# Altium PCB MiGo_V4.0.PcbDoc (part 2 of 2)
Units mm, origin at the board's own origin, x right, y up, seen from the top; angles counter-clockwise.
Board outline 40.15 x 60.15 mm, 4 copper layers (Top Layer, GND, VCC, Bottom Layer), stack 0.98 mm thick; 120 components, 87 nets, 464 pads, 291 vias.
Unrouted connection lines stored in the file: 87.
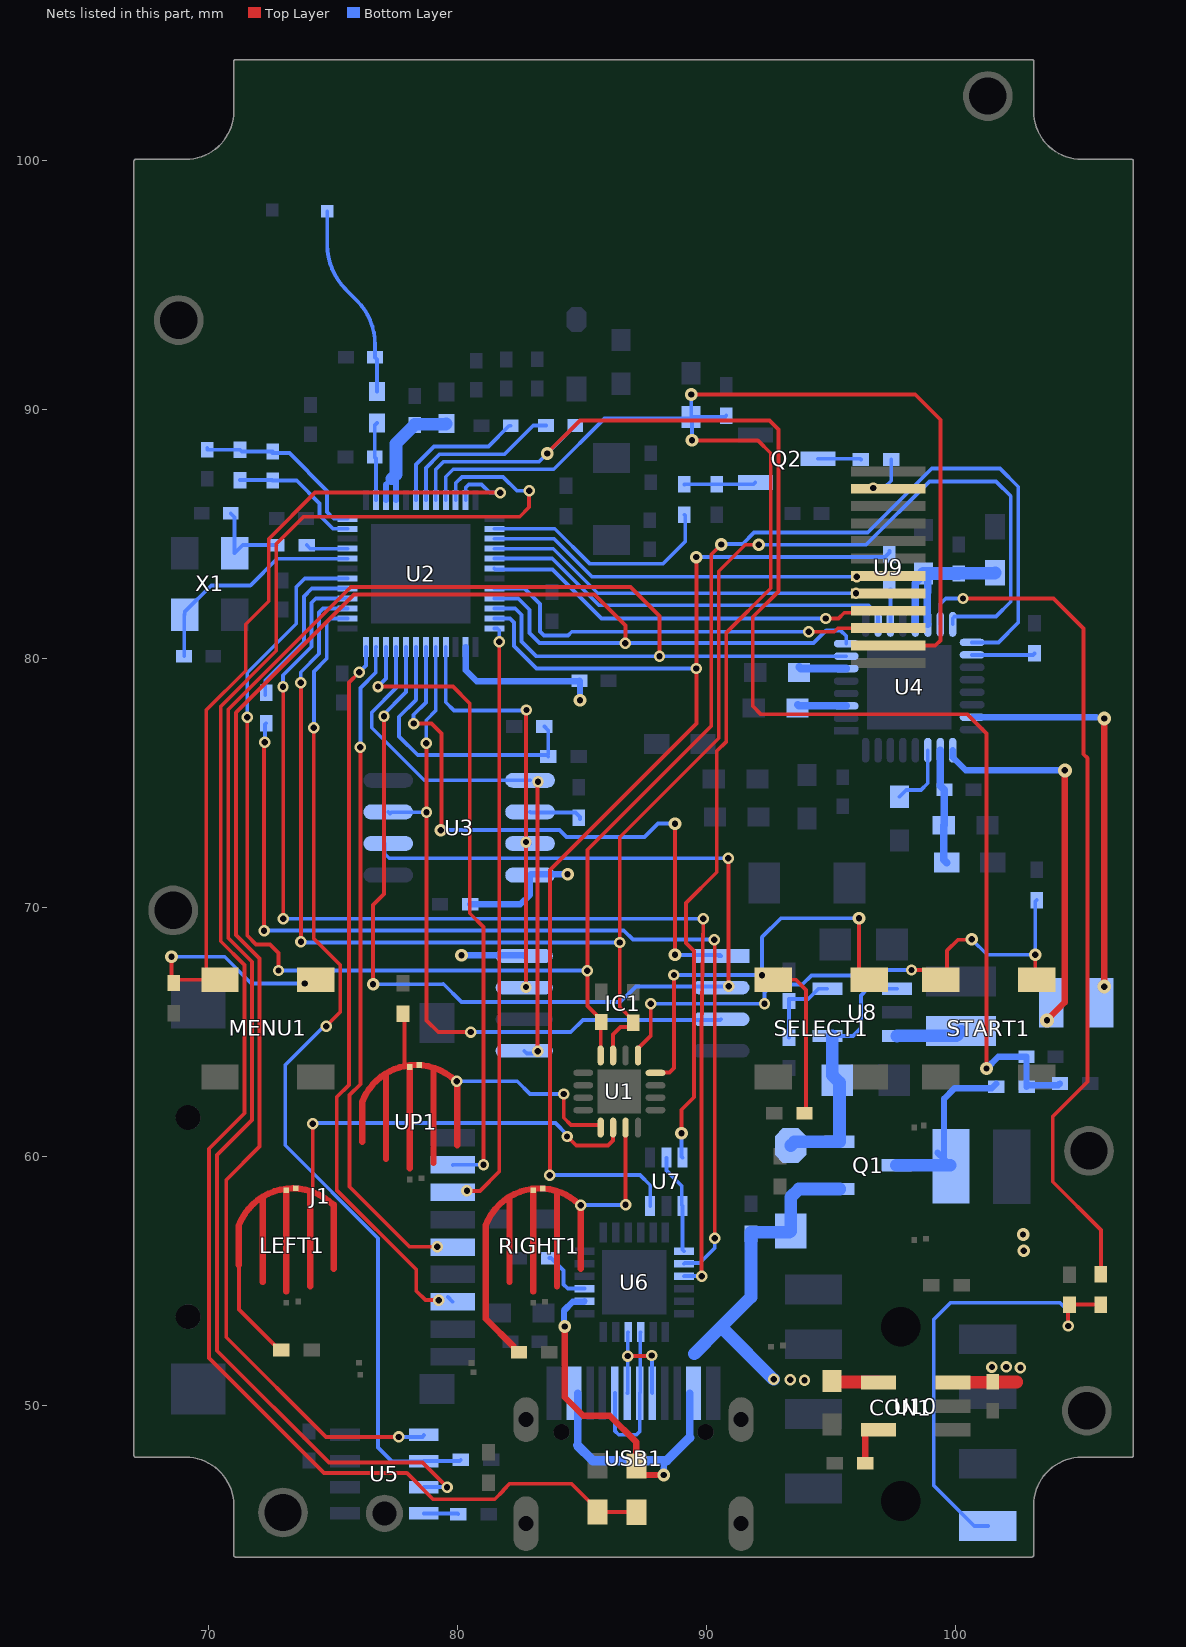
[diagram p4: the nets of this part, all layers, seen from the top]

## Via types
v1: diameter 0.457, hole 0.254, Top Layer to Bottom Layer, tented both sides, 217 vias
v2: diameter 0.508, hole 0.254, Top Layer to Bottom Layer, tented both sides, 70 vias
v3: diameter 0.559, hole 0.254, Top Layer to Bottom Layer, tented both sides, 4 vias

## Nets (pads, with @x,y where several pads share a name; then routed paths per layer and width w, separated by ;. In a path a pad name is that pad's centre, name@x,y a point inside that pad or via, vN(x,y) a via of type N, cw(c..) or ccw(c..) an arc to the next point about the centre after c; other vN are vias at no path point) (continued)
I2C_SCL: R2.2 U1.15 U2.39 U4.16 | length 70
  Top Layer w0.152: v1(73.703,79.03) 73.713,79.019 v1(73.713,68.621) ; U1.15@86.255,64.061 86.255,64.901 86.556,65.202 86.886,65.202 R2.2@87.064,65.38 87.064,65.456 86.519,66.001 v1(86.519,68.597) 86.519,72.823 90.498,76.802 90.498,83.508 91.562,84.572 v2(92.105,84.572)
  Bottom Layer w0.152: v1(73.703,79.03) 73.703,79.454 74.442,80.193 74.442,81.854 74.604,82.016 U2.39@75.582,82.016 ; v1(73.713,68.621) 73.737,68.597 v1(86.519,68.597) ; v2(92.105,84.572) 96.416,84.572 98.963,87.119 101.633,87.119 102.226,86.526 102.226,82.285 101.633,81.691 99.964,81.691 99.896,81.623 U4.16@99.896,81.377
I2C_SDA: R1.2 U1.16 U2.42 U4.17 | length 75.8
  Top Layer w0.152: v1(71.557,77.64) 71.557,68.876 71.913,68.519 72.471,68.519 72.814,68.176 v1(72.814,67.473) ; U1.16@85.755,64.061 85.755,65.376 R1.2@85.781,65.402 85.781,65.479 85.22,66.04 v1(85.22,67.457) 85.22,72.321 90.193,77.295 90.193,84.183 v2(90.597,84.587)
  Bottom Layer w0.152: v1(71.557,77.64) 71.557,79.433 73.528,81.404 73.528,82.88 73.864,83.216 U2.42@75.582,83.216 ; v1(72.814,67.473) 85.204,67.473 v1(85.22,67.457) ; v2@90.599,84.607 91.459,84.607 91.918,85.067 96.48,85.067 99.051,87.638 101.801,87.638 102.531,86.907 102.531,81.449 101.732,80.65 U4.17@100.674,80.65
I2S_ADCDAT: R22.1 U2.38 U5.2 | length 40.8
  Top Layer w0.152: v1(74.234,77.224) 74.226,77.216 74.226,68.763 75.294,67.696 75.294,65.802 v1(74.727,65.235)
  Bottom Layer w0.152: v1(74.234,77.224) 74.234,79.487 74.747,80 74.747,81.45 74.913,81.616 U2.38@75.582,81.616 ; v1(74.727,65.235) 74.646,65.235 73.081,63.67 73.081,60.452 76.815,56.718 76.815,48.313 77.376,47.752 78.637,47.752 U5.2@78.649,47.764 80.086,47.764 R22.1@80.137,47.816
I2S_BCLK: U2.21 U4.8 U5.1 | length 70.6
  Top Layer w0.152: v1(77.64,48.735) 74.714,48.735 70.711,52.738 70.711,59.063 72.053,60.405 72.053,67.948 71.1,68.902 71.1,77.83 75.843,82.573 85.507,82.573 86.751,81.328 v1@86.751,80.62
  Bottom Layer w0.152: v1(77.64,48.735) 78.596,48.735 78.662,48.801 U5.1@78.649,48.814 ; U2.21@81.482,82.416 82.443,82.416 82.895,81.963 82.895,81.023 83.294,80.625 94.301,80.625 94.812,81.135 95.387,81.135 95.617,80.905 U4.8@95.617,80.6
  other v1: 86.746,80.617
I2S_DACDAT: U2.17 U4.10 | length 16.7
  Bottom Layer w0.152: U2.17@81.482,84.016 81.489,84.023 83.809,84.023 85.686,82.146 96.512,82.146 96.895,81.763 U4.10@96.895,81.377
I2S_LRCK: U2.22 U4.7 U5.3 | length 76.2
  Top Layer w0.152: v1(79.583,46.718) 78.598,47.704 74.836,47.704 70.34,52.2 70.34,60.056 71.748,61.464 71.748,67.822 70.795,68.775 70.795,77.956 75.717,82.878 86.947,82.878 88.118,81.707 v1(88.118,80.1)
  Bottom Layer w0.152: U5.3@78.649,46.714 78.653,46.718 v1(79.583,46.718) ; U2.22@81.482,82.016 82.319,82.016 82.573,81.763 82.573,80.684 83.157,80.1 v1(88.118,80.1) U4.7@95.617,80.1
I2S_MCLK: R26.2 U4.11 | length 1.4
  Bottom Layer w0.152: U4.11@97.395,81.377 R26.2@97.395,82.785
IO0: R26.1 U2.23 U7.3 | length 49.7
  Top Layer w0.152: v1(83.711,59.253) 83.722,59.265 83.722,71.515 89.599,77.391 v1(89.599,79.604) v2(89.599,84.079)
  Bottom Layer w0.152: U2.23@81.482,81.616 82.11,81.616 82.268,81.458 82.268,80.51 83.175,79.604 v1(89.599,79.604) ; v1(83.711,59.253) 87.335,59.253 87.745,58.844 U7.3@87.745,58.014 ; v2@89.588,84.089 v2(89.599,84.079) 97.178,84.079 97.356,84.257 R26.1@97.356,84.333
JACK_DET: R29.2 U4.15 | length 34.5
  Top Layer w0.152: v1(100.31,82.415) 103.944,82.415 103.947,82.418 105.151,81.214 105.151,76.162 105.311,76.002 105.311,63 103.914,61.603 103.914,58.984 105.847,57.051 R29.2@105.847,55.273
  Bottom Layer w0.152: U4.15@99.396,81.377 99.396,82.192 99.619,82.415 v1(100.31,82.415)
LCD_BCKL: R38.1 U2.14 | length 9.7
  Bottom Layer w0.152: U2.14@81.482,85.216 83.909,85.216 85.31,83.815 88.265,83.815 89.151,84.701 89.151,85.745 R38.1@89.116,85.781
LCD_CS: U2.16 U9.8 | length 15.3
  Bottom Layer w0.152: U2.16@81.482,84.416 83.847,84.416 85.637,82.626 v1(96.012,82.626)
LCD_DC: U2.15 U9.7 | length 15.2
  Bottom Layer w0.152: U2.15@81.482,84.816 83.878,84.816 85.407,83.287 v1(96.045,83.287)
LCD_MOSI: U2.20 U9.10 | length 17.4
  Top Layer w0.152: v1(94.112,81.082) 95.138,81.082 95.28,81.223 U9.10@97.309,81.223
  Bottom Layer w0.152: U2.20@81.482,82.816 82.7,82.816 83.319,82.198 83.319,81.091 83.48,80.929 84.442,80.929 84.595,81.082 v1(94.112,81.082)
LCD_SCK: U2.18 U9.9 | length 16.8
  Top Layer w0.152: v1(94.79,81.61) 95.306,81.61 95.54,81.844 97.23,81.844 U9.9@97.309,81.923
  Bottom Layer w0.152: U2.18@81.482,83.616 81.519,83.579 83.822,83.579 85.791,81.61 v1(94.79,81.61)
LEFT: LEFT1.1 R12.1 U1.6 | length 20.1
  Top Layer w0.152: 71.222,55.643 71.222,53.856 72.847,52.23 R12.1@72.923,52.23 ; 74.082,58.542 74.136,58.596 74.191,58.651 v1(74.191,61.316) ; v1(84.404,60.805) 84.772,60.437 86.05,60.437 86.255,60.641 U1.6@86.255,61.161
  Bottom Layer w0.152: v1(74.191,61.316) 74.216,61.341 83.937,61.341 84.404,60.874 v1(84.404,60.805)
MENU: MENU1.1 R15.1 U2.11 | length 39.7
  Top Layer w0.152: v2(68.511,68.021) 68.511,67.069 R15.1@68.61,66.97 68.742,67.101 MENU1.1@69.908,67.101 ; MENU1.1@70.465,67.101 MENU1.1@69.908,67.101 ; v1(81.717,86.67) 74.28,86.67 72.418,84.808 72.418,82.306 71.493,81.382 71.493,79.516 69.908,77.931 MENU1.1@69.908,67.101
  Bottom Layer w0.152: v2(68.511,68.021) 70.651,68.021 71.72,66.952 v2(73.864,66.952) ; U2.11@80.332,86.366 80.332,86.872 80.454,86.995 80.946,86.995 80.97,86.995 81.295,86.67 v1(81.717,86.67)
NetB2_1: B2.1 U4.23 | length 15.8
  Top Layer w0.254: v3(105.981,66.825) v3(105.981,77.592)
  Bottom Layer w0.254: U4.23@100.674,77.649 105.659,77.649
NetB2_2: B2.2 U4.25 | length 15.3
  Top Layer w0.254: v3(103.68,65.471) 104.399,66.19 v3(104.399,75.512)
  Bottom Layer w0.254: U4.25@99.896,76.321 99.896,76.032 100.416,75.512 v3(104.399,75.512)
NetC2_1: C2.1 R3.2 X1.1 | length 3.5
  Bottom Layer w0.152: C2.1@70.896,85.833 71.049,85.681 X1.1@71.049,84.231 71.377,84.559 R3.2@72.728,84.559
NetC5_2: C5.2 C7.2 R4.2 U2.48 | length 7.4
  Bottom Layer w0.152: C5.2@69.953,88.458 C5.2@69.953,88.395 69.958,88.389 R4.2@71.267,88.389 71.338,88.318 C7.2@72.577,88.318 72.577,88.255 73.249,88.255 74.765,86.738 74.765,85.884 75.033,85.616 U2.48@75.582,85.616
NetC7_1: C7.1 R4.1 U2.47 | length 5.4
  Bottom Layer w0.152: R4.1@71.267,87.17 72.557,87.17 C7.1@72.577,87.15 73.543,87.15 74.46,86.233 74.46,85.758 75.002,85.216 U2.47@75.582,85.216
NetC12_2: C12.2 L1.2 U2.3 U2.4 | length 5.8
  Bottom Layer w0.229: U2.3@77.132,86.366 77.132,86.995 77.363,87.226 ; U2.4@77.532,86.366 77.532,87.395
  Bottom Layer w0.508: 77.363,87.226 77.532,87.395 77.532,88.636 C12.2@78.281,89.385 78.281,89.413 79.527,89.413 L1.2@79.555,89.441
NetC13_2: C13.2 JP1.1 L2.1 | length 7.8
  Bottom Layer w0.152: JP1.1@74.773,97.973 74.773,96.627 ccw(c77.313,96.627) 75.516,94.831 75.949,94.399 cw(c74.153,92.603) 76.693,92.603 C13.2@76.693,92.1 76.769,92.024 L2.1@76.769,90.735
NetC14_2: C14.2 L2.2 U2.2 | length 3.2
  Bottom Layer w0.152: U2.2@76.732,86.366 76.732,88.041 C14.2@76.675,88.097 76.675,89.371 L2.2@76.769,89.465
NetC16_2: C16.2 U2.6 | length 5.9
  Bottom Layer w0.152: U2.6@78.332,86.366 78.332,87.796 79.055,88.519 81.244,88.519 82.078,89.352 C16.2@82.141,89.352
NetC17_1: C17.1 U2.7 | length 6.8
  Bottom Layer w0.152: U2.7@78.732,86.366 78.732,87.655 79.291,88.214 81.898,88.214 83.047,89.363 C17.1@83.563,89.363
NetC22_1: C22.1 C23.1 R21.2 U4.26 | length 4.6
  Bottom Layer w0.305: U4.26@99.396,76.321 99.396,74.892 C23.1@99.56,74.728 99.549,74.716 99.549,73.318 C22.1@99.538,73.307 99.538,71.923 R21.2@99.654,71.806
NetC27_2: C27.2 C28.2 R24.2 U4.13 U4.14 | length 7.2
  Bottom Layer w0.305: U4.13@98.396,81.377 98.396,83.034 98.715,83.353 C27.2@98.715,83.416 98.893,83.237 98.893,82.665 98.867,82.639 98.867,81.406 U4.14@98.896,81.377
  Bottom Layer w0.508: C27.2@98.715,83.416 98.716,83.417 C28.2@100.133,83.419 ; C28.2@100.133,83.419 100.133,83.431 101.585,83.431 R24.2@101.597,83.444
NetC29_1: C29.1 U4.3 | length 2
  Bottom Layer w0.305: C29.1@93.668,78.146 93.712,78.101 95.615,78.101 U4.3@95.617,78.099
NetC30_1: C30.1 U4.6 | length 1.9
  Bottom Layer w0.305: C30.1@93.734,79.662 93.794,79.602 95.615,79.602 U4.6@95.617,79.599
NetC35_2: C35.2 U4.27 | length 2.7
  Bottom Layer w0.152: C35.2@97.76,74.452 98.029,74.722 98.621,74.722 98.896,74.997 U4.27@98.896,76.321
NetCON1_2: CON1.2 R27.2 R29.1 | length 18.2
  Top Layer w0.152: v1(104.531,53.19) 104.531,54.094 R27.2@104.587,54.038 104.602,54.054 R29.1@105.847,54.054
  Bottom Layer w0.152: CON1.2@101.308,45.159 100.758,45.159 99.131,46.786 99.131,53.454 99.804,54.127 104.206,54.127 104.531,53.802 v1(104.531,53.19)
NetL3_1: L3.1 U8.3 | length 2.6
  Bottom Layer w0.508: U8.3@97.658,64.841 97.662,64.845 100.036,64.845 L3.1@100.226,65.035
NetQ2_1: Q2.1 R36.2 R38.2 | length 2.9
  Bottom Layer w0.152: R38.2@89.116,87 89.124,87.008 R36.2@90.424,87.008 91.896,87.008 Q2.1@91.966,87.079
NetQ2_3: Q2.3 R35.1 | length 1.7
  Bottom Layer w0.152: Q2.3@94.48,88.029 96.177,88.029 R35.1@96.208,87.998
NetR7_1: R7.1 U2.41 | length 6.5
  Bottom Layer w0.152: R7.1@72.283,78.527 72.283,79.121 73.833,80.67 73.833,82.499 74.15,82.816 U2.41@75.582,82.816
NetR23_1: R23.1 U5.4 | length 1.4
  Bottom Layer w0.152: U5.4@78.649,45.664 80,45.664 R23.1@80.03,45.634
NetR25_1: R25.1 U6.9 | length 2.3
  Bottom Layer w0.152: R25.1@83.685,55.918 83.762,55.918 84.262,55.418 84.262,54.864 84.433,54.693 U6.9@85.107,54.693
NetR31_2: R31.2 U4.18 | length 2.5
  Bottom Layer w0.152: U4.18@100.674,80.15 103.121,80.15 R31.2@103.182,80.211
NetR34_2: R34.2 R39.2 U8.5 | length 3.3
  Bottom Layer w0.152: R39.2@93.32,64.775 93.322,64.778 93.322,66.322 94.089,66.322 94.508,66.741 U8.5@94.858,66.741
NetR35_2: R35.2 U9.2 | length 1.7
  Bottom Layer w0.152: v1(96.698,86.855) 96.715,86.872 97.155,86.872 97.427,87.144 R35.2@97.427,87.998
NetR37_1: R37.1 U10.5 | length 1.8
  Top Layer w0.254: R37.1@96.378,47.673 96.378,48.871 96.526,49.019 U10.5@96.914,49.019
RIGHT: R14.1 RIGHT1.1 U1.7 | length 9
  Top Layer w0.152: v1(86.755,58.068) U1.7@86.755,61.161
  Top Layer w0.254: 81.136,55.639 81.136,53.482 82.271,52.347 82.271,52.271 82.398,52.144 R14.1@82.474,52.144
  Bottom Layer w0.152: v1(84.95,58.039) 84.965,58.054 86.74,58.054 v1(86.755,58.068)
RST/EN: C58.2 R59.2 U2.9 U7.6 U9.11 | length 70
  Top Layer w0.152: v2(89.002,60.937) 89.002,61.879 89.502,62.38 89.502,68.251 89.179,68.574 89.179,70.183 90.416,71.42 90.416,76.29 90.802,76.676 90.802,81.044 92.588,82.829 92.588,88.247 92.067,88.768 v2(89.421,88.768) ; v2(89.39,90.609) 98.389,90.609 99.405,89.593 99.405,80.734 99.195,80.523 U9.11@97.309,80.523
  Bottom Layer w0.152: U2.9@79.532,86.366 79.532,87.303 79.833,87.604 83.868,87.604 85.907,89.644 89.324,89.644 C58.2@89.389,89.709 ; v2(89.002,60.937) 89.002,59.997 U7.6@89.045,59.954 ; v2(89.39,90.609) 89.39,89.715 89.393,89.713 C58.2@89.389,89.709 ; v2(89.421,88.768) 89.421,89.678 C58.2@89.389,89.709 ; R59.2@90.8,89.761 90.748,89.709 C58.2@89.389,89.709
RTS: U6.19 U7.1 U7.5 | length 4.1
  Bottom Layer w0.152: U7.5@88.395,59.954 88.395,59.433 89.009,58.819 89.009,58.049 U7.1@89.045,58.014 89.045,56.255 U6.19@89.107,56.193
SCK/CLK: R5.1 R8.2 U2.31 | length 11.4
  Bottom Layer w0.152: U2.31@78.332,80.466 78.332,78.344 77.653,77.666 77.653,76.877 78.403,76.126 83.594,76.126 R8.2@83.65,76.07 ; R5.1@83.495,77.272 83.65,77.117 R8.2@83.65,76.175
SCS/CMD: IC1.1 U2.30 | length 25.4
  Top Layer w0.152: v1(78.24,77.391) 78.961,77.391 79.36,76.992 79.36,73.147 v2(79.324,73.111) ; v2(88.74,68.102) v2(88.74,73.373)
  Bottom Layer w0.152: v1(78.24,77.391) 78.24,77.744 78.732,78.236 U2.30@78.732,80.466 ; v2(79.324,73.111) 84.1,73.111 84.381,72.829 87.513,72.829 88.057,73.373 v2(88.74,73.373) ; v2@88.735,68.095 90.465,68.095 90.511,68.049 90.551,68.09 IC1.1@90.587,68.054
SD_CS: J1.2 U2.34 | length 25.7
  Top Layer w0.152: v1(76.807,78.877) 79.822,78.877 80.498,78.202 80.498,69.772 81.046,69.223 v1(81.046,59.672)
  Bottom Layer w0.152: v1(76.807,78.877) 77.132,79.202 U2.34@77.132,80.466 ; J1.2@79.812,59.662 79.822,59.672 v1(81.046,59.672)
SD_MISO: J1.7 U2.36 | length 29
  Top Layer w0.152: v1(76.058,79.451) 75.644,79.037 75.644,62.878 75.148,62.383 75.148,58.659 78.346,55.462 78.346,54.602 78.717,54.232 v1(79.245,54.232)
  Bottom Layer w0.152: v1(76.058,79.451) 76.332,79.725 U2.36@76.332,80.466 ; J1.7@79.615,54.359 J1.7@79.812,54.162
SD_MOSI: J1.3 U2.24 | length 23.6
  Top Layer w0.152: v1(80.381,58.618) 80.904,58.618 81.679,59.393 v1(81.679,80.673)
  Bottom Layer w0.152: U2.24@81.482,81.216 81.599,81.216 81.679,81.137 v1(81.679,80.673)
SD_SCK: J1.5 U2.35 | length 26.6
  Top Layer w0.152: v1(76.101,76.436) 76.101,62.904 75.664,62.468 75.664,58.786 78.075,56.375 v1(79.187,56.375)
  Bottom Layer w0.152: v1(76.101,76.436) 76.101,78.818 76.721,79.437 76.721,80.455 U2.35@76.732,80.466
SDI/SD1: IC1.5 U2.33 U3.5 | length 22.3
  Top Layer w0.152: v1(83.221,64.234) 83.221,75.039 v1(83.238,75.057)
  Bottom Layer w0.152: U2.33@77.532,80.466 77.532,78.816 76.558,77.842 76.558,77.221 78.666,75.113 U3.5@82.918,75.113 ; IC1.5@82.687,64.244 82.793,64.138 IC1.5@83.203,64.138
SDO/SD0: IC1.2 U2.32 U3.2 | length 48.5
  Top Layer w0.152: v2(76.611,66.919) 76.611,70.109 77.051,70.549 v1(77.051,77.688) ; v1(90.874,71.979) 90.889,71.963 90.889,66.85 v1(90.904,66.835)
  Bottom Layer w0.152: v2(76.611,66.919) 79.415,66.919 79.433,66.937 80.167,66.203 86.54,66.203 87.173,66.835 v1(90.904,66.835) ; v1(77.051,77.688) 76.965,77.688 77.932,78.656 U2.32@77.932,80.466 ; U3.2@77.079,72.573 77.079,72.161 77.262,71.979 v1(90.874,71.979)
SELECT: R13.1 SELECT1.1 U1.12 | length 23
  Top Layer w0.152: U1.12@87.955,63.361 87.973,63.38 88.523,63.38 88.697,63.553 v1(88.697,67.292) ; SELECT1.1@92.69,67.101 93.595,67.101 94.003,66.693 94.003,61.872 93.866,61.735 R13.1@93.942,61.735 ; v2@96.131,69.573 v2(96.131,69.568) 96.131,67.51 SELECT1.1@96.54,67.101
  Bottom Layer w0.152: v1(88.697,67.292) 92.232,67.292 v1(92.238,67.287) 92.238,68.811 92.994,69.568 v2(96.131,69.568)
SHD/SD2: IC1.7 U2.28 U3.7 | length 16.7
  Top Layer w0.152: v1(82.756,66.807) v1(82.756,72.631) v1@82.756,77.937 ; v1(82.771,77.937) v1@82.864,77.937
  Bottom Layer w0.152: U2.28@79.532,80.466 79.532,78.251 79.865,77.917 v1@82.575,77.917 ; U3.7@82.845,72.641 82.896,72.591 82.898,72.593 U3.7@82.918,72.573
SRAM_CLK: R11.2 U3.6 | length 2.2
  Bottom Layer w0.152: U3.6@82.918,73.843 82.944,73.817 84.742,73.817 84.92,73.64 R11.2@84.92,73.563
START: R10.1 START1.1 U1.13 | length 23.6
  Top Layer w0.152: U1.13@87.255,64.061 87.255,64.336 87.762,64.843 v1(87.762,66.139) ; v1(98.242,67.493) 99.029,67.493 START1.1@99.421,67.101 99.671,67.101 99.671,68.269 100.112,68.71 v2@100.675,68.71 ; v2(103.21,68.1) 103.21,67.162 START1.1@103.271,67.101
  Bottom Layer w0.152: v1(87.762,66.139) v1(92.334,66.139) 92.334,66.578 92.662,66.906 93.85,66.906 94.218,67.274 96.08,67.274 96.298,67.493 v1(98.242,67.493) ; v2(100.663,68.722) 101.28,68.105 103.205,68.105 v2(103.21,68.1) 103.21,70.241 R10.1@103.271,70.302
SWP/SD3: IC1.3 U2.29 U3.3 | length 29
  Top Layer w0.152: v1@78.757,76.599 v1(78.757,73.826) 78.758,73.825 78.758,65.468 79.228,64.999 v1(80.538,64.999)
  Bottom Layer w0.152: U3.3@77.218,73.843 77.287,73.774 77.339,73.826 v1(78.757,73.826) ; v1(78.745,76.599) 78.745,77.526 79.132,77.913 U2.29@79.132,80.466 ; v1@80.518,65.019 v1(80.538,64.999) 84.553,64.999 85.038,65.484 87.681,65.484 90.556,65.484 IC1.3@90.587,65.514
U0RXD: U2.40 U6.21 | length 46.6
  Top Layer w0.152: v1(72.992,78.875) 72.954,78.837 73.005,78.786 v1(73.005,69.553) ; v1(89.814,55.194) 89.807,55.202 89.807,64.906 v1(89.875,69.548)
  Bottom Layer w0.152: v1(72.992,78.875) 72.992,79.332 74.138,80.477 74.138,82.245 74.308,82.416 U2.40@75.582,82.416 ; v1@73.015,69.548 v1(89.875,69.548) ; U6.21@89.107,55.193 89.108,55.194 v1(89.814,55.194)
U0TXD: R7.2 U6.20 | length 40.4
  Top Layer w0.152: v1(72.233,69.073) 72.233,76.609 v1(72.266,76.642) ; v1(90.338,56.721) v1@90.338,68.712
  Bottom Layer w0.152: v1(72.266,76.642) 72.266,77.353 R7.2@72.314,77.401 ; v1@72.293,69.088 72.304,69.078 86.684,69.078 87.05,68.712 v1(90.322,68.712) ; U6.20@89.107,55.693 89.134,55.72 89.735,55.72 90.338,56.322 v1(90.338,56.721)
UP: R6.1 U1.5 UP1.1 | length 9.3
  Top Layer w0.152: R6.1@77.813,65.733 77.876,65.669 77.876,63.63 77.876,63.612 ; v1(84.272,62.512) 84.272,61.557 84.567,61.262 85.71,61.262 85.755,61.217 U1.5@85.755,61.161
  Bottom Layer w0.152: v1(79.972,63.022) 82.403,63.022 82.913,62.512 v1(84.272,62.512)
USB_D+: U6.3 USB1.A6 USB1.B6 | length 6.6
  Bottom Layer w0.152: USB1.B6@86.327,50.495 86.327,48.974 86.477,48.824 87.193,48.824 87.325,48.956 USB1.A6@87.325,50.495 87.341,50.511 87.341,52.927 U6.3@87.357,52.943
USB_D-: U6.4 USB1.A7 USB1.B7 | length 5
  Top Layer w0.152: v1(86.843,51.984) 87.79,51.984 v1(87.81,52.004)
  Bottom Layer w0.152: USB1.A7@86.821,50.5 USB1.A7@86.826,50.495 86.841,50.51 86.841,52.927 U6.4@86.857,52.943 ; v1(87.81,52.004) 87.81,50.51 USB1.B7@87.826,50.495
USB_DET: R28.2 R30.1 U2.10 | length 70.3
  Top Layer w0.152: v1(82.88,86.741) 82.88,86.081 82.502,85.702 73.817,85.702 72.723,84.607 72.723,80.315 70.49,78.082 70.49,68.649 71.444,67.696 71.444,61.74 70.015,60.312 70.015,51.902 74.635,47.282 77.968,47.282 79.017,46.233 81.497,46.233 81.844,46.581 81.844,46.609 82.09,46.855 84.588,46.855 85.618,45.825 R30.1@85.618,45.717 87.188,45.717 R28.2@87.191,45.715
  Bottom Layer w0.152: U2.10@79.931,86.367 79.931,87.051 80.18,87.3 81.829,87.3 82.387,86.741 v1(82.88,86.741)
VBAT: BT1.1 C43.2 Q1.3 R40.1 U10.3 | length 10.3
  Top Layer w0.254: U10.3@99.914,50.919 U10.3@99.931,50.937 ; C43.2@101.492,50.937 C43.2@101.51,50.955
  Top Layer w0.508: U10.3@99.931,50.937 C43.2@101.492,50.937 ; C43.2@101.51,50.955 101.51,50.94 102.474,50.94
  Bottom Layer w0.254: BT1.1@99.286,60.147 BT1.1@99.549,59.884 ; BT1.1@99.827,59.606 99.789,59.644 BT1.1@99.549,59.884 ; R40.1@101.643,62.918 101.465,62.741 99.969,62.741 99.549,62.32 BT1.1@99.549,59.884
  Bottom Layer w0.508: Q1.3@97.64,59.644 BT1.1@99.789,59.644
  other v1: 102.616,51.514 101.47,51.542 102.05,51.547
  other v2: 102.746,56.21 102.723,56.866
VBAT_S: C17.2 C41.2 R40.2 R41.1 U2.8 | length 56.8
  Top Layer w0.152: v2(83.604,88.24) 83.604,88.247 84.917,89.56 92.532,89.56 92.893,89.2 92.893,82.703 91.862,81.672 91.862,78.095 92.194,77.762 100.493,77.762 101.257,76.998 v2@101.257,63.533
  Bottom Layer w0.152: U2.8@79.132,86.366 79.132,87.6 79.441,87.909 83.278,87.909 C17.2@84.732,89.363
  Bottom Layer w0.254: v2(101.252,63.533) 101.728,64.009 C41.2@102.862,64.009 R40.2@102.862,62.801 102.927,62.866 104.141,62.866 R41.1@104.206,62.931
VBUS: C42.2 Q1.1 R28.1 R32.2 U6.8 U10.4 USB1.A4 USB1.A9 USB1.B4 USB1.B9 VD1.1 | length 35.8
  Top Layer w0.254: v2(84.31,53.17) 84.31,50.333 85.052,49.591 86.124,49.591 87.185,48.529 87.185,47.481 87.464,47.203 v2(88.288,47.203)
  Top Layer w0.508: C42.2@95.054,50.988 95.102,50.94 96.893,50.94 U10.4@96.914,50.919
  Bottom Layer w0.254: v2(84.31,53.17) 84.282,53.198 84.282,53.813 84.639,54.17 85.084,54.17 U6.8@85.107,54.193 ; v2(88.288,47.203) 88.288,47.668 88.4,47.78
  Bottom Layer w0.305: 84.826,48.397 USB1.B4@84.826,50.495 ; 89.324,48.705 89.324,50.493 USB1.B9@89.327,50.495
  Bottom Layer w0.381: 84.826,48.397 85.443,47.78 88.4,47.78 89.324,48.705
  Bottom Layer w0.508: 89.515,52.073 90.495,53.053 ; v1(92.702,51.049) 90.698,53.053 90.495,53.053 ; Q1.1@95.354,58.694 93.716,58.694 93.388,58.367 VD1.1@93.388,57.01 93.328,56.951 91.791,56.951 R32.2@91.791,56.891 91.791,54.348 90.495,53.053
  other v1: 93.942,51.013 93.365,51.031
VCC: C36.2 Q1.2 U8.1 U8.4 VD1.2 | length 10.8
  Bottom Layer w0.152: U8.4@94.858,64.841 95.053,64.841 95.885,64.841 96.209,65.165 96.209,66.466 96.484,66.741 U8.1@97.658,66.741
  Bottom Layer w0.508: VD1.2@93.388,60.439 93.539,60.59 95.35,60.59 Q1.2@95.354,60.594 95.35,60.598 95.35,62.973 C36.2@95.255,63.068 95.057,63.267 95.057,64.837 U8.4@95.053,64.841
VDD_SDIO: C20.2 IC1.8 R19.2 U2.26 U3.8 | length 13.9
  Bottom Layer w0.254: v2(80.165,68.08) 82.661,68.08 IC1.8@82.687,68.054 ; U2.26@80.332,80.466 80.332,79.535 80.771,79.096 84.89,79.096 C20.2@84.905,79.11 84.925,79.089 v2(84.925,78.323) ; R19.2@80.518,70.127 82.525,70.127 82.918,70.521 U3.8@82.918,71.303 82.949,71.333 v2(84.425,71.333)
XTAL_N: C1.1 U2.44 X1.3 | length 9.2
  Bottom Layer w0.152: C1.1@69.022,80.092 69.022,81.747 X1.3@69.042,81.768 69.042,81.868 70.108,82.934 71.681,82.934 72.764,84.016 U2.44@75.582,84.016
XTAL_P: R3.1 U2.45 | length 1.7
  Bottom Layer w0.152: R3.1@73.947,84.559 74.09,84.416 U2.45@75.582,84.416
pads on no net: CON1. CON1.1 CON1.3 CON1.4 CON1.7 J1. J1.1 J1.8 J1.9 U1.14 U4.1 U4.2 U4.4 U4.5 U4.9 U4.19 U4.20 U4.21 U4.22 U4.29 U4.30 U4.32 U6.1 U6.10 U6.11 U6.12 U6.13 U6.14 U6.15 U6.16 U6.17 U6.18 U6.22 U6.24 USB1. USB1.0 USB1.A5 USB1.A8 USB1.B5 USB1.B8

## Polygon pours and split planes (outlines as drawn)
GND on Bottom Layer "Bottom Layer-GND" (solid, pour order 5): 67.093,47.918 69.082,47.918 ccw(c69.088,47.994) 69.088,47.918 cw(c69.088,45.994) 71.011,45.994 ccw(c71.088,45.994) 71.012,45.989 71.012,44.02 ccw(c71.088,44.02) 71.013,44.004 ccw(c71.088,43.988) 71.088,43.911 103.075,43.911 ccw(c103.075,43.988) 103.151,43.988 ccw(c103.075,43.988) 103.151,43.993 103.151,45.989 ccw(c103.075,45.994) 103.151,45.994 cw(c105.075,45.994) 105.075,47.918 ccw(c105.075,47.994) 105.08,47.918 107.076,47.918 ccw(c107.081,47.994) 107.158,47.994 107.158,99.981 ccw(c107.081,99.981) 107.076,100.057 105.08,100.057 ccw(c105.075,99.981) 105.075,100.058 cw(c105.075,101.981) 103.151,101.981 ccw(c103.075,101.981) 103.151,101.987 103.151,103.982 ccw(c103.075,103.988) 103.151,103.988 ccw(c103.075,103.988) 103.075,104.064 71.088,104.064 ccw(c71.088,103.988) 71.013,103.971 ccw(c71.088,103.956) 71.012,103.956 71.012,101.986 ccw(c71.088,101.981) 71.011,101.981 cw(c69.088,101.981) 69.088,100.058 ccw(c69.088,99.981) 69.082,100.057 67.113,100.057 ccw(c67.113,99.981) 67.098,100.056 ccw(c67.081,99.981) 67.005,99.981 67.005,47.994 ccw(c67.081,47.994) 67.089,47.918 ccw(c67.093,47.994)
AGND on Bottom Layer "Bottom Layer-AGND" (solid, pour order 4): 102.245,69.204 102.245,77.599 89.334,77.599 89.334,69.271
GND on Top Layer "Top Layer-GND" (solid, pour order 7): 67.093,47.921 69.082,47.921 ccw(c69.088,47.997) 69.088,47.92 cw(c69.088,45.997) 71.011,45.997 ccw(c71.088,45.997) 71.011,45.991 71.011,44.022 ccw(c71.088,44.022) 71.013,44.007 ccw(c71.088,43.99) 71.088,43.914 103.075,43.914 ccw(c103.075,43.99) 103.151,43.99 ccw(c103.075,43.99) 103.151,43.996 103.151,45.991 ccw(c103.075,45.997) 103.151,45.997 cw(c105.075,45.997) 105.075,47.92 ccw(c105.075,47.997) 105.08,47.921 107.076,47.921 ccw(c107.081,47.997) 107.158,47.997 107.158,99.984 ccw(c107.081,99.984) 107.076,100.06 105.08,100.06 ccw(c105.075,99.984) 105.075,100.06 cw(c105.075,101.984) 103.151,101.984 ccw(c103.075,101.984) 103.151,101.989 103.151,103.985 ccw(c103.075,103.99) 103.151,103.99 ccw(c103.075,103.99) 103.075,104.067 71.088,104.067 ccw(c71.088,103.99) 71.013,103.974 ccw(c71.088,103.958) 71.011,103.958 71.011,101.989 ccw(c71.088,101.984) 71.011,101.984 cw(c69.088,101.984) 69.088,100.06 ccw(c69.088,99.984) 69.082,100.06 67.113,100.06 ccw(c67.113,99.984) 67.098,100.059 ccw(c67.081,99.984) 67.005,99.984 67.005,47.997 ccw(c67.081,47.997) 67.088,47.921 ccw(c67.093,47.997)
GND on GND (split plane): 106.648,48.428 105.08,48.428 105.077,48.428 105.075,48.428 105.072,48.428 105.075,48.428 105.075,48.464 105.042,48.45 105.043,48.427 104.863,48.419 104.652,48.391 104.445,48.345 104.242,48.281 104.046,48.2 103.858,48.102 103.679,47.988 103.51,47.859 103.354,47.715 103.21,47.559 103.081,47.39 102.967,47.211 102.869,47.023 102.788,46.827 102.724,46.624 102.678,46.417 102.65,46.206 102.642,46.026 102.619,46.027 102.605,45.994 102.641,45.994 102.641,45.992 102.641,45.989 102.641,44.421 71.522,44.421 71.522,45.989 71.522,45.992 71.522,45.994 71.558,45.994 71.544,46.027 71.52,46.026 71.512,46.206 71.485,46.417 71.439,46.624 71.375,46.827 71.294,47.023 71.196,47.211 71.082,47.39 70.952,47.559 70.809,47.715 70.652,47.859 70.484,47.988 70.305,48.102 70.117,48.2 69.92,48.281 69.718,48.345 69.511,48.391 69.3,48.419 69.119,48.427 69.121,48.45 69.088,48.464 69.088,48.428 69.091,48.428 69.088,48.428 69.086,48.428 69.082,48.428 67.515,48.428 67.515,96.926 106.648,96.926
GND on GND (split plane): 71.522,45.994 71.522,45.997
GND on GND (split plane): 102.641,45.994 102.641,45.997
+3.3V on VCC (split plane): 70.864,46.73 70.917,46.581 70.796,46.873
+3.3V on VCC (split plane): 70.447,47.353 70.553,47.236 70.33,47.46
+3.3V on VCC (split plane): 70.686,47.062 70.767,46.926 70.592,47.189
+3.3V on VCC (split plane): 71.042,43.925 71.039,43.926 71.038,43.927
+3.3V on VCC (split plane): 71.074,43.911 71.071,43.911 71.068,43.912
+3.3V on VCC (split plane): 107.157,47.994 107.156,47.994 107.15,47.966 107.134,47.942 107.11,47.926 107.081,47.92 107.076,47.921 107.076,47.919 105.08,47.919 105.08,47.921 105.075,47.92 105.075,47.921 104.886,47.912 104.699,47.884 104.515,47.838 104.337,47.775 104.166,47.694 104.004,47.596 103.852,47.484 103.712,47.357 103.585,47.217 103.473,47.065 103.375,46.903 103.294,46.732 103.231,46.554 103.185,46.37 103.157,46.183 103.148,45.994 103.149,45.994 103.148,45.989 103.15,45.989 103.15,43.993 103.148,43.993 103.149,43.988 103.143,43.959 103.127,43.935 103.103,43.919 103.075,43.913 103.075,43.912 71.088,43.912 71.088,43.913 71.06,43.919 71.036,43.935 71.019,43.959 71.014,43.988 71.017,44.003 71.014,44.004 71.015,44.004 71.014,44.004 71.017,44.005 71.014,44.02 71.013,44.02 71.013,45.989 71.015,45.989 71.014,45.994 71.015,45.994 71.006,46.183 70.978,46.37 70.932,46.554 70.868,46.732 70.787,46.903 70.69,47.065 70.578,47.217 70.451,47.357 70.31,47.484 70.159,47.596 69.996,47.694 69.825,47.775 69.647,47.838 69.464,47.884 69.277,47.912 69.088,47.921 69.088,47.92 69.083,47.921 69.083,47.919 69.082,47.919 67.093,47.919 67.093,47.92 67.089,47.921 67.089,47.919 67.088,47.919 67.088,47.921 67.081,47.92 67.053,47.926 67.029,47.942 67.013,47.966 67.007,47.994 67.006,47.994 67.006,96.926 107.157,96.926
+3.3V on VCC (split plane): 70.973,46.369 70.996,46.213 70.935,46.523
+3.3V on VCC (split plane): 67.043,47.926 67.042,47.927 67.04,47.928
+3.3V on VCC (split plane): 67.073,47.916 67.072,47.916 67.071,47.917
+3.3V on VCC (split plane): 67.006,47.976 67.005,47.978 67.005,47.98
+3.3V on VCC (split plane): 67.019,47.947 67.018,47.948 67.017,47.95
+3.3V on VCC (split plane): 69.824,47.77 69.967,47.702 69.674,47.823
+3.3V on VCC (split plane): 70.156,47.592 70.283,47.498 70.02,47.674
+3.3V on VCC (split plane): 69.463,47.879 69.617,47.841 69.306,47.902
VDD_SDIO on VCC (split plane): 85.352,68.638 84.49,67.776 84.397,67.683 78.767,67.683 78.013,68.437 78.013,80.023 85.352,80.023
+3.3V on VCC (split plane): 103.09,43.911 103.089,43.911 103.091,43.911
+3.3V on VCC (split plane): 103.118,43.923 103.117,43.922 103.119,43.924
+3.3V on VCC (split plane): 103.14,43.944 103.139,43.943 103.14,43.945
+3.3V on VCC (split plane): 103.151,43.972 103.151,43.971 103.151,43.974
+3.3V on VCC (split plane): 103.167,46.213 103.19,46.369 103.228,46.523
+3.3V on VCC (split plane): 103.246,46.581 103.299,46.73 103.367,46.873
+3.3V on VCC (split plane): 103.395,46.926 103.477,47.062 103.571,47.189
+3.3V on VCC (split plane): 103.61,47.236 103.716,47.353 103.833,47.46
+3.3V on VCC (split plane): 103.88,47.498 104.007,47.592 104.143,47.674
+3.3V on VCC (split plane): 104.196,47.702 104.339,47.77 104.488,47.823
+3.3V on VCC (split plane): 104.546,47.841 104.7,47.879 104.856,47.902
+3.3V on VCC (split plane): 107.092,47.917 107.091,47.917 107.093,47.917
+3.3V on VCC (split plane): 107.122,47.927 107.121,47.927 107.123,47.929
+3.3V on VCC (split plane): 107.145,47.949 107.144,47.948 107.146,47.951
+3.3V on VCC (split plane): 107.158,47.978 107.157,47.977 107.158,47.98

## Other copper
Top Layer:
  rectangle net VBAT: 102.387,50.587 103.027,57.213
  rectangle net +3.3V: 94.143,85.143 95.456,87.244
  rectangle net VBAT: 101.224,50.569 102.949,51.958
  rectangle net VBUS: 92.227,50.632 97.633,51.46
  pour cut-out: 67.026,96.982 ccw(c67.142,97.099) 67.142,96.934 107.175,96.934 107.175,99.812 ccw(c106.776,99.812) 107.058,100.094 104.95,100.094 cw(c104.95,101.681) 103.828,100.559 103.555,100.832 cw(c104.361,101.638) 103.221,101.638 103.221,103.821 ccw(c102.908,103.821) 103.129,104.042 ccw(c103.075,103.988) 103.075,104.064 71.099,104.064 cw(c71.037,104.127) 71.037,104.038 71.028,104.038 71.028,101.864 cw(c70.475,101.864) 70.866,101.473 70.193,100.8 cw(c68.397,102.596) 68.397,100.056 67.063,100.056 ccw(c67.063,100.014) 67.033,100.043 ccw(c67.102,99.975) 67.005,99.975 67.005,99.97
Bottom Layer:
  rectangle net GND: 93.02,67.965 95.725,69.228
  rectangle net +3.3V: 96.802,68.008 98.405,71.504
  rectangle net +3.3V: 73.942,88.712 75.875,89.362
  rectangle net +3.3V: 84.44,90.305 88.458,91.529
  rectangle net VBAT: 99.182,55.893 100.546,60.876
  rectangle net VBAT: 99.162,55.837 103.139,57.257
  rectangle net +3.3V: 94.115,85.423 95.352,87.104
  rectangle net VBUS: 92.202,50.65 94.414,51.336
  rectangle net VBUS: 89.167,49.406 89.784,52.316
  pour cut-out: 67.026,96.982 ccw(c67.142,97.099) 67.142,96.934 107.175,96.934 107.175,99.812 ccw(c106.776,99.812) 107.058,100.094 104.95,100.094 cw(c104.95,101.681) 103.828,100.559 103.555,100.832 cw(c104.361,101.638) 103.221,101.638 103.221,103.821 ccw(c102.908,103.821) 103.129,104.042 ccw(c103.075,103.988) 103.075,104.064 71.099,104.064 cw(c71.037,104.127) 71.037,104.038 71.028,104.038 71.028,101.864 cw(c70.475,101.864) 70.866,101.473 70.193,100.8 cw(c68.397,102.596) 68.397,100.056 67.063,100.056 ccw(c67.063,100.014) 67.033,100.043 ccw(c67.102,99.975) 67.005,99.975 67.005,99.97
  region net +3.3V: 101.973,85.461 101.973,86.192 101.562,86.784 99.741,86.784 99.698,86.741 99.698,85.461 101.307,85.461
  region net VBUS: 84.577,50.149 84.371,49.944 84.371,49.443 84.848,48.966
  region net VBUS: 89.215,50.17 89.731,50.17 89.753,50.193 89.781,50.165 89.781,49.426 89.296,49.055
GND (plane layer: these items are gaps in the copper):
  rectangle: 66.101,96.926 107.523,104.927
VCC (plane layer: these items are gaps in the copper):
  rectangle: 66.101,96.926 107.409,104.927
  lines w0.508: 77.757,68.331 78.661,67.427 84.503,67.427 84.671,67.594 85.608,68.532 85.608,80.279 77.892,80.279 77.757,80.145 77.757,68.331

## Silkscreen, mask and mechanical layers (free items; w line width, h text height)
Top Overlay:
  lines w0.152: 67.081,73.988 107.081,73.988 ; 87.081,43.988 87.081,103.988
Bottom Overlay:
  lines w0.152: 66.586,69.614 66.586,99.614 107.586,99.614 107.586,69.614 66.586,69.614
  text "MinGo_V4.0-20210422" at 105.844,91.12 h0.76 r90
Mechanical 1:
  lines w0.152: 67.081,47.994 67.081,99.981 ; 67.093,47.994 69.088,47.994 cw(c69.088,45.994) 71.088,45.994 71.088,44.02 ; 67.113,99.981 69.088,99.981 ccw(c69.088,101.981) 71.088,101.981 71.088,103.956 ; 71.088,43.988 103.075,43.988 103.075,45.994 cw(c105.075,45.994) 105.075,47.994 107.081,47.994 107.081,99.981 105.075,99.981 cw(c105.075,101.981) 103.075,101.981 103.075,103.988 71.088,103.988

## Text inside footprints (layer, text, board x,y; h text height)
BT1: Bottom Overlay "+" at 98.862,61.981 h0.66 r90
J1: Bottom Overlay "1" at 77.881,60.66 h0.66 r270; Bottom Overlay "2" at 77.907,59.568 h0.66 r270; Bottom Overlay "3" at 77.907,58.501 h0.66 r270; Bottom Overlay "4" at 77.907,57.308 h0.66 r270; Bottom Overlay "5" at 77.932,56.241 h0.66 r270; Bottom Overlay "6" at 77.932,55.174 h0.66 r270; Bottom Overlay "7" at 77.932,54.107 h0.66 r270; Bottom Overlay "8" at 77.957,52.99 h0.66 r270; Bottom Overlay "Cd" at 78.516,51.643 h0.66
U9: Top Overlay "1" at 97.639,88.362 h0.66 r90; Top Overlay "12" at 97.665,78.481 h0.66 r90